# KiCad board q2v2.kicad_pcb (continued)
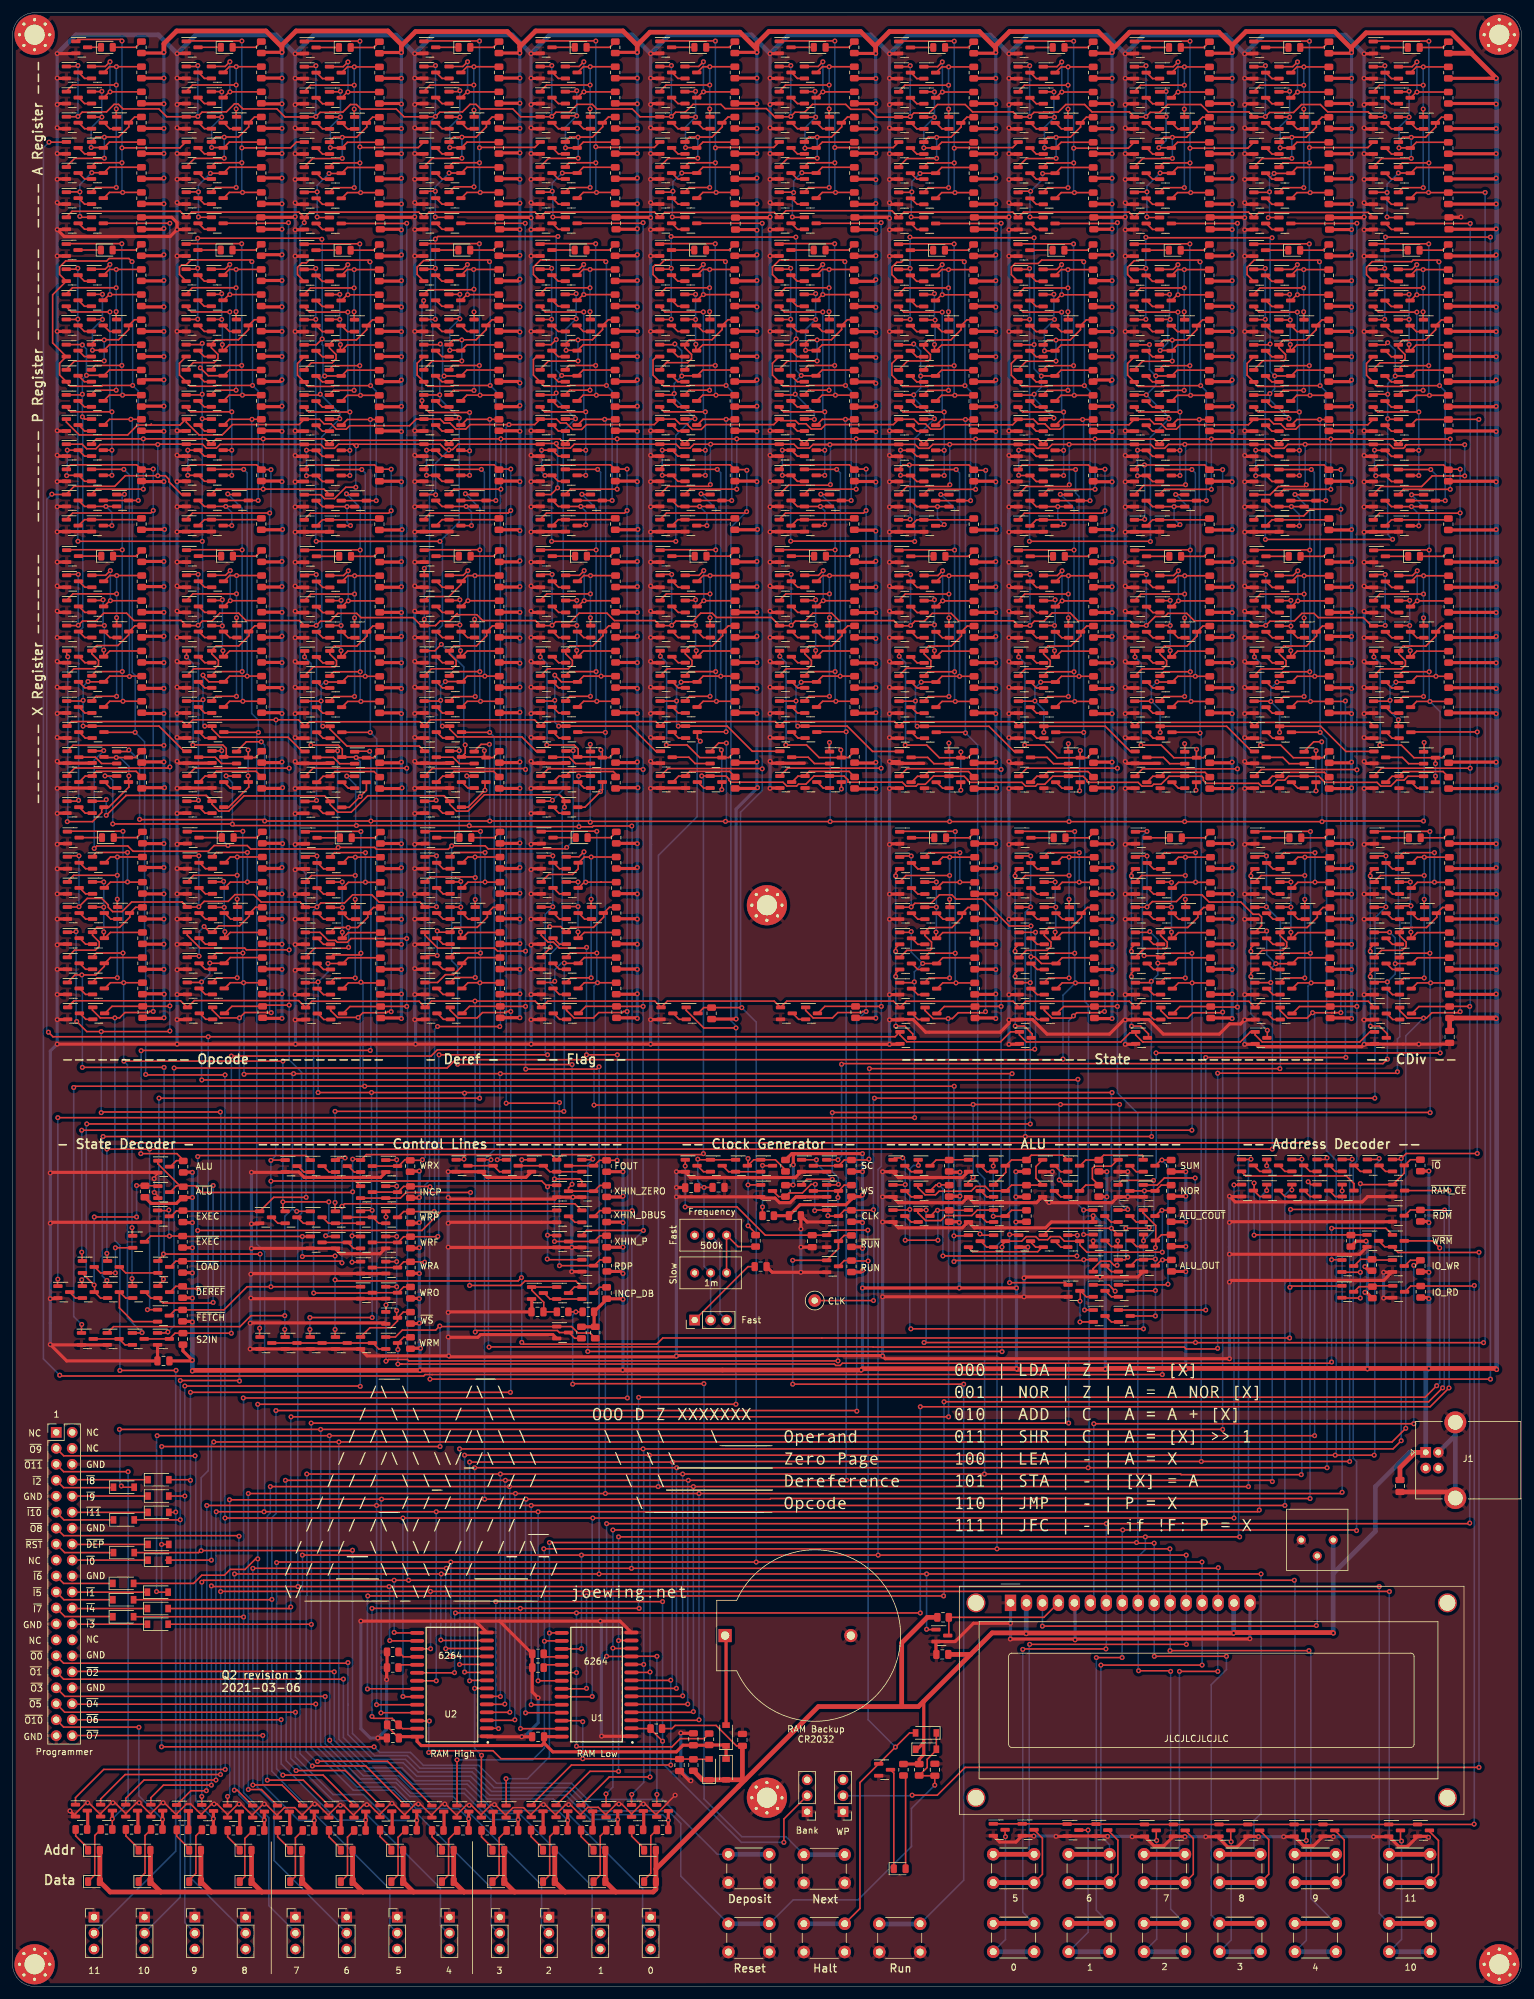
[diagram p0: board, top side]
## Routing (per net, layer and track width the routed paths; a pad name or vN(x,y) marks a point on that pad's centre or on a via; arc(x,y) is an arc through that point) (continued)
Net-(D55-Pad1): length 3.8
  Top w0.25: 84.45,21.87 82.48,23.85 R387.1
Net-(D56-Pad1): length 9.1
  Top w0.25: D56.1 85.44,17.73 85.44,23.84 R388.1
Net-(D57-Pad1): length 3.8
  Top w0.25: 36.19,21.82 34.22,23.8 R389.1
Net-(D58-Pad1): length 9
  Top w0.25: D58.1 36.95,17.48 36.95,23.55 R390.1
Net-(D59-Pad1): length 3.8
  Top w0.25: 92.41,21.87 90.44,23.85 R391.1
Net-(D60-Pad1): length 9
  Top w0.25: R392.1 93.48,23.92 93.48,17.73 D60.1
Net-(D61-Pad1): length 3.8
  Top w0.25: R393.1 42.17,23.8 44.14,21.82
Net-(D62-Pad1): length 9
  Top w0.25: R394.1 44.99,23.64 44.99,17.48 D62.1
Net-(D63-Pad1): length 3.8
  Top w0.25: 100.46,21.92 98.49,23.9 R395.1
Net-(D64-Pad1): length 8.8
  Top w0.25: R396.1 101.52,23.96 101.52,17.98 100.46,16.92
Net-(D65-Pad1): length 3.8
  Top w0.25: R397.1 50.34,23.8 52.31,21.82
Net-(D66-Pad1): length 9
  Top w0.25: R398.1 53.28,23.76 53.28,17.73 D66.1
Net-(D67-Pad1): length 3.6
  Top w0.25: 218.38,276.24 D67.1
Net-(D67-Pad2): length 4.9
  Top w0.25: D67.2 227.47,276.24 R405.2
Net-(D68-Pad1): length 3.6
  Top w0.25: 218.4,308.5 D68.1
Net-(D68-Pad2): length 4.9
  Top w0.25: R412.2 227.49,308.5 D68.2
Net-(D69-Pad1): length 12
  Top w0.25: 9.51,75.43 D69.1
Net-(D70-Pad1): length 9.6
  Top w0.25: D70.1 8.17,74.23 J2.11
Net-(D71-Pad1): length 12
  Top w0.25: 9.51,78.03 D71.1
Net-(D72-Pad1): length 12
  Top w0.25: D72.1 9.57,80.63
Net-(D73-Pad1): length 9.4
  Top w0.25: J2.7 8.12,79.36 15.88,79.36
Net-(D74-Pad1): length 11.9
  Top w0.25: 9.53,57.63 D74.1
Net-(D75-Pad1): length 12.2
  Top w0.25: 9.57,60.13 21.75,60.13
Net-(D76-Pad1): length 9.5
  Top w0.25: D76.1 8.17,61.53 J2.21
Net-(D77-Pad1): length 9.8
  Top w0.25: 16.15,69.03 8.29,69.03 J2.15
Net-(D78-Pad1): length 12
  Top w0.25: 9.53,70.33 D78.1
Net-(D79-Pad1): length 12.1
  Top w0.25: 9.49,67.83 D79.1
Net-(D80-Pad1): length 11.9
  Top w0.25: 9.51,62.73 D80.1
Net-(D81-Pad1): length 9.5
  Top w0.25: J2.23 8.31,58.85 15.92,58.85
Net-(D82-Pad1): length 9.5
  Top w0.25: J2.19 8.12,64.12 15.94,64.12
Net-(D83-Pad1): length 3.6
  Top w0.25: 218.45,227.54 D83.1
Net-(D83-Pad2): length 4.9
  Top w0.25: R421.2 227.54,227.54 D83.2
Net-(D84-Pad1): length 3.6
  Top w0.25: 218.56,182.76 D84.1
Net-(D84-Pad2): length 4.9
  Top w0.25: R430.2 227.65,182.76 D84.2
Net-(D85-Pad1): length 3.6
  Top w0.25: 104.9,308.52 D85.1
Net-(D85-Pad2): length 4.9
  Top w0.25: D85.2 113.99,308.52 R439.2
Net-(D86-Pad1): length 3.6
  Top w0.25: 104.95,227.56 D86.1
Net-(D86-Pad2): length 4.9
  Top w0.25: R448.2 114.04,227.56 D86.2
Net-(D87-Pad1): length 3.6
  Top w0.25: 123.88,276.27 D87.1
Net-(D87-Pad2): length 4.9
  Top w0.25: D87.2 132.97,276.27 R457.2
Net-(D88-Pad1): length 3.6
  Top w0.25: 123.9,308.52 D88.1
Net-(D88-Pad2): length 4.9
  Top w0.25: R464.2 132.99,308.52 D88.2
Net-(D89-Pad1): length 3.6
  Top w0.25: 123.95,227.56 D89.1
Net-(D89-Pad2): length 4.9
  Top w0.25: D89.2 133.04,227.56 R473.2
Net-(D90-Pad1): length 3.6
  Top w0.25: 104.88,276.27 D90.1
Net-(D90-Pad2): length 4.9
  Top w0.25: D90.2 113.97,276.27 R480.2
Net-(DS1-Pad3): length 58.4
  Top w0.25: v1(207.4,57.43) 207.3,57.33 v1(163.82,57.33)
  Bottom w0.25: DS1.3 163.83,57.33 v1(163.82,57.33) ; v1(207.4,57.43) 207.54,57.57 RV3.2
Net-(Q1-Pad2): length 2.4
  Top w0.25: 12.7,153.88 11.65,153.88 10.7,154.83
Net-(Q3-Pad2): length 2.4
  Top w0.25: 12.5,247.48 11.45,247.48 10.5,248.43
Net-(Q10-Pad3): length 12.5
  Top w0.25: 10.5,240.43 11.45,239.48 12.5,239.48 ; 12.5,243.48 11.45,243.48 10.5,244.43 ; v1(8.6,240.38) 8.65,240.43 Q10.3 ; Q9.3 v1(8.7,244.43)
  Bottom w0.25: v1(8.6,240.38) 8.7,240.48 v1(8.7,244.43)
Net-(Q11-Pad3): length 11.1
  Top w0.25: 16.5,235.48 v1(14.85,235.48) 11.45,235.48 10.5,236.43 ; 14.5,232.43 v1(15.8,232.43)
  Bottom w0.25: v1(15.8,232.43) 15.8,234.53 v1(14.85,235.48)
Net-(Q12-Pad1): length 10.2
  Top w0.25: 10.5,232.43 11.45,233.38 20.29,233.38
Net-(Q14-Pad1): length 39.6
  Top w0.25: 14.48,272.27 15.39,273.18 v1(16.49,273.18) R9.2 ; v1(16.48,253.97) 13.23,253.97 12.48,253.22 ; v1(16.48,266.47) 16.48,265.22 ; 8.48,269.22 9.53,270.27 v1(16.48,270.27)
  Bottom w0.25: v1(16.48,253.97) v1(16.48,266.47) v1(16.48,270.27) 16.48,273.17 v1(16.49,273.18)
Net-(Q14-Pad2): length 2.4
  Top w0.25: 10.48,252.27 11.43,251.32 12.48,251.32
Net-(Q15-Pad1): length 21.1
  Top w0.25: 14.48,260.27 15.39,261.18 R11.2 ; v1(14.3,269.23) 14.3,269.22 Q15.1 ; v1(14.3,265.23) 12.55,265.23 ; v1(12.7,260.32) 14.37,260.32
  Bottom w0.25: v1(12.7,260.32) 12.7,263.63 v1(14.3,265.23) v1(14.3,269.23)
Net-(Q15-Pad2): length 2.4
  Top w0.25: 10.48,268.27 11.43,267.32 12.48,267.32
Net-(Q15-Pad3): length 14.5
  Top w0.25: 14.48,268.27 15.39,269.18 v1(15.49,269.18) R6.2 ; v1(15.48,273.97) 14.73,273.22 12.48,273.22
  Bottom w0.25: v1(15.48,273.97) 15.48,269.2 v1(15.49,269.18)
Net-(Q19-Pad2): length 2.4
  Top w0.25: 10.48,256.27 11.43,255.32 12.48,255.32
Net-(Q20-Pad2): length 2.4
  Top w0.25: 10.48,272.27 11.43,271.32 12.48,271.32
Net-(Q21-Pad1): length 20.1
  Top w0.25: R10.2 19.39,265.18 18.48,264.27 18.48,263.62 16.86,262 14.61,262 ; 12.48,261.22 13.26,262 14.61,262 ; 14.61,262 v1(14.58,261.97) ; 8.48,257.22 9.85,258.6 14.54,258.6 v1(14.58,258.63)
  Bottom w0.25: v1(14.58,261.97) v1(14.58,258.63)
Net-(Q23-Pad2): length 2.4
  Top w0.25: 14.48,264.27 15.43,263.32 16.48,263.32
Net-(Q24-Pad2): length 2.4
  Top w0.25: 10.48,264.27 11.43,263.32 12.48,263.32
Net-(Q26-Pad2): length 2.4
  Top w0.25: 10.48,260.27 11.43,259.32 12.48,259.32
Net-(Q28-Pad2): length 2.4
  Top w0.25: 12.5,279.58 11.45,279.58 10.5,280.53
Net-(Q30-Pad1): length 39.6
  Top w0.25: 14.5,304.53 15.41,305.44 v1(16.51,305.44) R16.2 ; 12.5,285.48 13.25,286.23 v1(16.5,286.23) ; v1(16.5,298.73) 16.5,297.48 ; v1(16.5,302.53) 9.55,302.53 8.5,301.48
  Bottom w0.25: v1(16.51,305.44) 16.5,305.43 v1(16.5,302.53) v1(16.5,298.73) v1(16.5,286.23)
Net-(Q30-Pad2): length 2.4
  Top w0.25: 12.5,283.58 11.45,283.58 10.5,284.53
Net-(Q31-Pad1): length 21.2
  Top w0.25: v1(12.5,292.58) 14.39,292.58 ; R18.2 15.41,293.44 14.5,292.53 ; Q31.1 14.15,301.48 v1(14.2,301.53) ; v1(14.2,297.43) 12.61,297.43
  Bottom w0.25: v1(14.2,301.53) v1(14.2,297.43) 12.5,295.73 v1(12.5,292.58)
Net-(Q31-Pad2): length 2.4
  Top w0.25: 10.5,300.53 11.45,299.58 12.5,299.58
Net-(Q31-Pad3): length 14.5
  Top w0.25: 12.5,305.48 14.75,305.48 v1(15.5,306.23) ; 14.5,300.53 15.41,301.44 v1(15.51,301.44) R13.2
  Bottom w0.25: v1(15.51,301.44) 15.5,301.45 v1(15.5,306.23)
Net-(Q35-Pad2): length 2.4
  Top w0.25: 10.5,288.53 11.45,287.58 12.5,287.58
Net-(Q36-Pad2): length 2.4
  Top w0.25: 10.5,304.53 11.45,303.58 12.5,303.58
Net-(Q37-Pad1): length 20.1
  Top w0.25: 8.5,289.48 9.87,290.85 14.56,290.85 v1(14.6,290.89) ; R17.2 19.41,297.44 18.5,296.53 18.5,295.88 16.88,294.25 14.63,294.25 ; 14.63,294.25 v1(14.6,294.23) ; 14.63,294.25 13.28,294.25 12.5,293.48
  Bottom w0.25: v1(14.6,294.23) v1(14.6,290.89)
Net-(Q39-Pad2): length 2.4
  Top w0.25: 16.5,295.58 15.45,295.58 14.5,296.53
Net-(Q40-Pad2): length 2.4
  Top w0.25: 10.5,296.53 11.45,295.58 12.5,295.58
Net-(Q42-Pad2): length 2.4
  Top w0.25: 10.5,292.53 11.45,291.58 12.5,291.58
Net-(Q44-Pad2): length 2.3
  Top w0.25: 16.5,190.68 15.55,190.68 14.6,191.63
Net-(Q45-Pad2): length 2.4
  Top w0.25: 10.6,199.58 11.55,198.63 12.6,198.63
Net-(Q46-Pad2): length 2.4
  Top w0.25: 10.6,187.63 11.55,186.68 12.6,186.68
Net-(Q47-Pad2): length 6.4
  Top w0.25: 14.17,194.58 13.17,195.58 10.6,195.58 ; 14.14,194.58 16.5,194.58
Net-(Q49-Pad1): length 11
  Top w0.25: 10.6,191.63 11.55,192.58 12.6,192.58 13.35,193.32 19.66,193.32 R20.2
Net-(Q54-Pad1): length 39.6
  Top w0.25: 14.55,223.57 15.46,224.48 v1(16.56,224.48) R25.2 ; v1(16.55,205.27) 13.3,205.27 12.55,204.52 ; v1(16.55,217.77) 16.55,216.52 ; 8.55,220.52 9.6,221.57 v1(16.55,221.57)
  Bottom w0.25: v1(16.55,205.27) v1(16.55,217.77) v1(16.55,221.57) 16.55,224.47 v1(16.56,224.48)
Net-(Q54-Pad2): length 2.4
  Top w0.25: 10.55,203.57 11.5,202.62 12.55,202.62
Net-(Q55-Pad1): length 19.4
  Top w0.25: 14.55,211.57 15.46,212.48 R27.2 ; Q55.1 14.29,220.52 v1(14.4,220.63) ; v1(14.5,212.63) 14.5,211.58 ; v1(14.6,216.53) 12.62,216.53
  Bottom w0.25: v1(14.4,220.63) 14.4,216.73 v1(14.6,216.53) 14.6,212.73 v1(14.5,212.63)
Net-(Q55-Pad2): length 2.4
  Top w0.25: 10.55,219.57 11.5,218.62 12.55,218.62
Net-(Q55-Pad3): length 14.5
  Top w0.25: 14.55,219.57 15.46,220.48 v1(15.56,220.48) R22.2 ; v1(15.55,225.27) 14.8,224.52 12.55,224.52
  Bottom w0.25: v1(15.55,225.27) 15.55,220.49 v1(15.56,220.48)
Net-(Q59-Pad2): length 2.4
  Top w0.25: 10.55,207.57 11.5,206.62 12.55,206.62
Net-(Q60-Pad2): length 2.4
  Top w0.25: 10.55,223.57 11.5,222.62 12.55,222.62
Net-(Q61-Pad1): length 19.4
  Top w0.25: 18.55,215.57 19.46,216.48 R26.2 ; 13.33,213.29 12.55,212.52 ; Q63.3 18.49,215.08 16.76,213.35 13.45,213.35 Q66.1 12.61,212.03 13.68,210.97 13.68,210.27 13.06,209.65 9.75,209.65 Q61.1
Net-(Q63-Pad2): length 2.4
  Top w0.25: 14.55,215.57 15.5,214.62 16.55,214.62
Net-(Q64-Pad2): length 2.4
  Top w0.25: 10.55,215.57 11.5,214.62 12.55,214.62
Net-(Q66-Pad2): length 2.4
  Top w0.25: 10.55,211.57 11.5,210.62 12.55,210.62
Net-(Q68-Pad1): length 39.6
  Top w0.25: 14.66,178.79 15.57,179.7 v1(16.67,179.7) R32.2 ; v1(16.66,160.49) 13.41,160.49 12.66,159.74 ; v1(16.66,172.99) 16.66,171.74 ; 8.66,175.74 9.71,176.79 v1(16.66,176.79)
  Bottom w0.25: v1(16.66,160.49) v1(16.66,172.99) v1(16.66,176.79) 16.66,179.69 v1(16.67,179.7)
Net-(Q68-Pad2): length 2.4
  Top w0.25: 10.66,158.79 11.61,157.84 12.66,157.84
Net-(Q69-Pad1): length 18.8
  Top w0.25: 14.66,166.79 15.57,167.7 R34.2 ; v1(14.5,171.73) 12.73,171.73 ; v1(14.5,175.73) 14.49,175.74 Q69.1 ; v1(14.5,167.79) 14.5,166.88
  Bottom w0.25: v1(14.5,175.73) v1(14.5,171.73) v1(14.5,167.79)
Net-(Q69-Pad2): length 2.4
  Top w0.25: 10.66,174.79 11.61,173.84 12.66,173.84
Net-(Q69-Pad3): length 17.1
  Top w0.25: 18.23,175.7 15.57,175.7 14.66,174.79 ; 18.23,175.7 18.25,175.73 v1(18.29,175.73) 18.27,175.71 18.27,175.7 ; 18.23,175.7 18.27,175.7 ; v1(18.29,180.42) 13.35,180.42 12.66,179.74 ; 18.27,175.7 R29.2
  Bottom w0.25: v1(18.29,175.73) v1(18.29,180.42)
Net-(Q73-Pad2): length 2.4
  Top w0.25: 10.66,162.79 11.61,161.84 12.66,161.84
Net-(Q74-Pad2): length 2.4
  Top w0.25: 10.66,178.79 11.61,177.84 12.66,177.84
Net-(Q75-Pad1): length 18.5
  Top w0.25: R33.2 19.57,171.7 18.66,170.79 18.66,170.14 17.04,168.51 13.44,168.51 12.66,167.74 ; Q80.1 12.72,167.25 13.79,166.19 13.79,165.49 13.17,164.87 9.86,164.87 Q75.1
Net-(Q77-Pad2): length 2.4
  Top w0.25: 14.66,170.79 15.61,169.84 16.66,169.84
Net-(Q78-Pad2): length 2.4
  Top w0.25: 10.66,170.79 11.61,169.84 12.66,169.84
Net-(Q80-Pad2): length 2.4
  Top w0.25: 10.66,166.79 11.61,165.84 12.66,165.84
Net-(Q82-Pad2): length 30.3
  Top w0.25: v1(31.9,108.83) 31.8,108.73 23.91,108.73 Q82.2 ; 32,127.33 v1(31.9,127.43) ; 21.05,110.48 22,109.53 23.05,109.53
  Bottom w0.25: v1(31.9,108.83) v1(31.9,127.43)
Net-(Q83-Pad2): length 6.4
  Top w0.25: 23.05,113.53 18,113.53 17.05,114.48
Net-(Q84-Pad2): length 11.9
  Top w0.25: 19.05,109.53 18,109.53 17.05,110.48 ; Q89.3 16.99,107.96 19.17,105.78 Q84.2
Net-(Q86-Pad2): length 10.4
  Top w0.25: v1(16.35,113.53) 14,113.53 13.05,114.48 ; 19.05,117.53 v1(16.35,117.53)
  Bottom w0.25: v1(16.35,117.53) v1(16.35,113.53)
Net-(Q88-Pad2): length 32.1
  Top w0.25: 11.05,113.53 v1(12.97,111.6) 13.05,111.53 13.05,110.48 14,109.53 15.05,109.53 ; R41.2 23.01,127.39 ; v1(19.72,127.43) 21.01,127.43 ; v1(13,122.43) v1(19.72,122.43)
  Bottom w0.25: v1(13,122.43) 12.97,122.4 v1(12.97,111.6) ; v1(19.72,122.43) v1(19.72,127.43)
Net-(Q91-Pad2): length 2.4
  Top w0.25: 9.05,110.48 10,109.53 11.05,109.53
Net-(Q93-Pad2): length 6.6
  Top w0.25: Q93.2 17.89,102.08 Q96.3 Q95.3
Net-(Q106-Pad3): length 2.4
  Top w0.25: 90.5,121.58 89.45,121.58 88.5,122.53
Net-(Q107-Pad2): length 6.4
  Top w0.25: 49.3,118.38 53.3,118.38 54.25,117.43 55.3,117.43
Net-(Q109-Pad2): length 54
  Top w0.25: Q109.2 Q110.2 61.7,125.43 62.6,126.33 v1(72.85,126.33) ; 72.87,111.7 v1(72.7,111.53) 80.8,111.53 81.5,112.23 89.61,112.23 Q117.1 89.39,111.28 Q116.3
  Bottom w0.25: v1(72.85,126.33) 72.7,126.18 v1(72.7,111.53)
Net-(Q116-Pad2): length 6.4
  Top w0.25: 90.55,109.38 85.5,109.38 84.55,110.33
Net-(Q117-Pad3): length 2.4
  Top w0.25: Q117.3 93.35,111.24 R54.2
Net-(Q119-Pad2): length 2.4
  Top w0.25: 53.4,130.53 54.35,129.58 55.4,129.58
Net-(Q121-Pad2): length 6.4
  Top w0.25: 59.3,121.43 58.25,121.43 57.3,122.38 53.3,122.38
Net-(Q122-Pad2): length 2.4
  Top w0.25: 51.4,129.58 50.35,129.58 49.4,130.53
Net-(Q124-Pad2): length 10.4
  Top w0.25: 90.5,129.63 85.45,129.63 84.5,130.58 80.5,130.58
Net-(Q126-Pad2): length 6.4
  Top w0.25: 55.3,121.43 50.25,121.43 49.3,122.38
Net-(Q128-Pad2): length 2.4
  Top w0.25: 45.4,130.53 46.35,129.58 47.4,129.58
Net-(Q130-Pad2): length 6.4
  Top w0.25: 78.5,129.63 77.45,129.63 76.5,130.58 72.5,130.58
Net-(Q132-Pad2): length 2.4
  Top w0.25: 45.3,122.38 46.25,121.43 47.3,121.43
Net-(Q133-Pad2): length 2.4
  Top w0.25: 43.3,121.43 42.2,121.43 41.25,122.38
Net-(Q134-Pad2): length 18.4
  Top w0.25: 41.3,102.38 57.3,102.38 58.25,101.43 59.3,101.43
Net-(Q143-Pad2): length 2.4
  Top w0.25: 29.77,154.83 30.72,153.88 31.77,153.88
Net-(Q145-Pad2): length 2.4
  Top w0.25: 29.57,248.43 30.52,247.48 31.57,247.48
Net-(Q147-Pad2): length 12.1
  Top w0.25: 29.57,244.43 30.52,243.48 31.57,243.48 ; 29.57,240.43 30.52,239.48 31.57,239.48 ; Q152.3 v1(27.87,240.43) ; Q151.3 v1(27.87,244.43)
  Bottom w0.25: v1(27.87,244.43) v1(27.87,240.43)
Net-(Q149-Pad2): length 11.1
  Top w0.25: 29.57,236.43 30.52,235.48 v1(33.92,235.48) 35.57,235.48 ; 33.57,232.43 v1(34.87,232.43)
  Bottom w0.25: v1(33.92,235.48) 34.87,234.53 v1(34.87,232.43)
Net-(Q154-Pad1): length 10.2
  Top w0.25: 29.57,232.43 30.52,233.38 39.36,233.38
Net-(Q156-Pad1): length 39.6
  Top w0.25: 33.55,272.27 34.46,273.18 v1(35.56,273.18) R68.2 ; v1(35.55,253.97) 32.3,253.97 31.55,253.22 ; v1(35.55,266.47) 35.55,265.22 ; 27.55,269.22 28.6,270.27 v1(35.55,270.27)
  Bottom w0.25: v1(35.55,253.97) v1(35.55,266.47) v1(35.55,270.27) 35.55,273.17 v1(35.56,273.18)
Net-(Q156-Pad2): length 2.4
  Top w0.25: 29.55,252.27 30.5,251.32 31.55,251.32
Net-(Q157-Pad1): length 18.7
  Top w0.25: 33.55,260.27 34.46,261.18 R70.2 ; v1(33.27,265.23) 31.62,265.23 ; v1(33.37,261.23) 33.37,260.39 ; v1(33.27,269.33) 33.16,269.22 Q157.1
  Bottom w0.25: v1(33.37,261.23) 33.37,265.13 v1(33.27,265.23) v1(33.27,269.33)
Net-(Q157-Pad2): length 2.4
  Top w0.25: 29.55,268.27 30.5,267.32 31.55,267.32
Net-(Q157-Pad3): length 14.5
  Top w0.25: 33.55,268.27 34.46,269.18 v1(34.56,269.18) R65.2 ; v1(34.55,273.97) 33.8,273.22 31.55,273.22
  Bottom w0.25: v1(34.55,273.97) 34.55,269.2 v1(34.56,269.18)
Net-(Q161-Pad2): length 2.4
  Top w0.25: 29.55,256.27 30.5,255.32 31.55,255.32
Net-(Q162-Pad2): length 2.4
  Top w0.25: 29.55,272.27 30.5,271.32 31.55,271.32
Net-(Q163-Pad1): length 18.5
  Top w0.25: R69.2 38.46,265.18 37.55,264.27 37.55,263.62 35.92,262 33.67,262 ; 31.55,261.22 32.32,262 33.67,262 ; 33.67,262 33.65,261.97 ; Q163.1 28.75,258.36 32.06,258.36 32.67,258.97 32.67,259.67 31.61,260.74 Q168.1
Net-(Q165-Pad2): length 2.4
  Top w0.25: 33.55,264.27 34.5,263.32 35.55,263.32
Net-(Q166-Pad2): length 2.4
  Top w0.25: 29.55,264.27 30.5,263.32 31.55,263.32
Net-(Q168-Pad2): length 2.4
  Top w0.25: 29.55,260.27 30.5,259.32 31.55,259.32
Net-(Q170-Pad2): length 2.4
  Top w0.25: 29.57,280.53 30.52,279.58 31.57,279.58
Net-(Q172-Pad1): length 39.6
  Top w0.25: 33.57,304.53 34.48,305.44 v1(35.58,305.44) R75.2 ; v1(35.57,286.23) 32.32,286.23 31.57,285.48 ; v1(35.57,298.73) 35.57,297.48 ; 27.57,301.48 28.62,302.53 v1(35.57,302.53)
  Bottom w0.25: v1(35.57,286.23) v1(35.57,298.73) v1(35.57,302.53) 35.57,305.43 v1(35.58,305.44)
Net-(Q172-Pad2): length 2.4
  Top w0.25: 29.57,284.53 30.52,283.58 31.57,283.58
Net-(Q173-Pad1): length 20.9
  Top w0.25: 33.57,292.53 34.48,293.44 R77.2 ; v1(31.67,292.58) 33.46,292.58 ; v1(33.27,301.43) 33.22,301.48 Q173.1 ; v1(33.27,297.43) 31.68,297.43
  Bottom w0.25: v1(31.67,292.58) 31.67,295.83 v1(33.27,297.43) v1(33.27,301.43)
Net-(Q173-Pad2): length 2.4
  Top w0.25: 29.57,300.53 30.52,299.58 31.57,299.58
Net-(Q173-Pad3): length 14.5
  Top w0.25: 33.57,300.53 34.48,301.44 v1(34.58,301.44) R72.2 ; v1(34.57,306.23) 33.82,305.48 31.57,305.48
  Bottom w0.25: v1(34.57,306.23) 34.57,301.45 v1(34.58,301.44)
Net-(Q177-Pad2): length 2.4
  Top w0.25: 29.57,288.53 30.52,287.58 31.57,287.58
Net-(Q178-Pad2): length 2.4
  Top w0.25: 29.57,304.53 30.52,303.58 31.57,303.58
Net-(Q179-Pad1): length 20.1
  Top w0.25: R76.2 38.48,297.44 37.57,296.53 37.57,295.88 35.94,294.25 33.69,294.25 ; 31.57,293.48 32.34,294.25 33.69,294.25 ; 33.69,294.25 v1(33.67,294.23) ; 27.57,289.48 28.94,290.85 33.63,290.85 v1(33.67,290.89)
  Bottom w0.25: v1(33.67,294.23) v1(33.67,290.89)
Net-(Q181-Pad2): length 2.4
  Top w0.25: 33.57,296.53 34.52,295.58 35.57,295.58
Net-(Q182-Pad2): length 2.4
  Top w0.25: 29.57,296.53 30.52,295.58 31.57,295.58
Net-(Q184-Pad2): length 2.4
  Top w0.25: 29.57,292.53 30.52,291.58 31.57,291.58
Net-(Q186-Pad2): length 2.3
  Top w0.25: 33.67,191.63 34.62,190.68 35.57,190.68
Net-(Q187-Pad2): length 2.4
  Top w0.25: 29.67,199.58 30.62,198.63 31.67,198.63
Net-(Q188-Pad2): length 2.4
  Top w0.25: 29.67,187.63 30.62,186.68 31.67,186.68
Net-(Q189-Pad2): length 6.4
  Top w0.25: 33.24,194.58 32.24,195.58 29.67,195.58 ; 33.2,194.58 35.57,194.58
Net-(Q191-Pad1): length 11
  Top w0.25: R79.2 38.73,193.32 32.42,193.32 31.67,192.58 30.62,192.58 29.67,191.63
Net-(Q196-Pad1): length 39.6
  Top w0.25: 33.62,223.57 34.53,224.48 v1(35.63,224.48) R84.2 ; v1(35.62,205.27) 32.37,205.27 31.62,204.52 ; v1(35.62,217.77) 35.62,216.52 ; 27.62,220.52 28.67,221.57 v1(35.62,221.57)
  Bottom w0.25: v1(35.62,205.27) v1(35.62,217.77) v1(35.62,221.57) 35.62,224.47 v1(35.63,224.48)
Net-(Q196-Pad2): length 2.4
  Top w0.25: 29.62,203.57 30.57,202.62 31.62,202.62
Net-(Q197-Pad1): length 18.8
  Top w0.25: 33.62,211.57 34.53,212.48 R86.2 ; v1(33.47,212.53) 33.47,211.65 ; v1(33.37,220.63) 33.26,220.52 Q197.1 ; v1(33.37,216.47) 31.73,216.47
  Bottom w0.25: v1(33.37,220.63) v1(33.37,216.47) 33.37,212.63 v1(33.47,212.53)
Net-(Q197-Pad2): length 2.4
  Top w0.25: 29.62,219.57 30.57,218.62 31.62,218.62
Net-(Q197-Pad3): length 14.5
  Top w0.25: 33.62,219.57 34.53,220.48 v1(34.63,220.48) R81.2 ; v1(34.62,225.27) 33.87,224.52 31.62,224.52
  Bottom w0.25: v1(34.62,225.27) 34.62,220.49 v1(34.63,220.48)
Net-(Q201-Pad2): length 2.4
  Top w0.25: 29.62,207.57 30.57,206.62 31.62,206.62
Net-(Q202-Pad2): length 2.4
  Top w0.25: 29.62,223.57 30.57,222.62 31.62,222.62
Net-(Q203-Pad1): length 18.5
  Top w0.25: R85.2 38.53,216.48 37.62,215.57 37.62,214.92 35.99,213.29 32.39,213.29 31.62,212.52 ; Q203.1 28.82,209.65 32.13,209.65 32.74,210.27 32.74,210.97 31.68,212.03 Q208.1
Net-(Q205-Pad2): length 2.4
  Top w0.25: 33.62,215.57 34.57,214.62 35.62,214.62
Net-(Q206-Pad2): length 2.4
  Top w0.25: 29.62,215.57 30.57,214.62 31.62,214.62
Net-(Q208-Pad2): length 2.4
  Top w0.25: 29.62,211.57 30.57,210.62 31.62,210.62
Net-(Q210-Pad1): length 39.6
  Top w0.25: 33.73,178.79 34.64,179.7 v1(35.74,179.7) R91.2 ; v1(35.73,160.49) 32.48,160.49 31.73,159.74 ; v1(35.73,172.99) 35.73,171.74 ; 27.73,175.74 28.78,176.79 v1(35.73,176.79)
  Bottom w0.25: v1(35.73,160.49) v1(35.73,172.99) v1(35.73,176.79) 35.73,179.69 v1(35.74,179.7)
Net-(Q210-Pad2): length 2.4
  Top w0.25: 29.73,158.79 30.68,157.84 31.73,157.84
Net-(Q211-Pad1): length 19
  Top w0.25: 33.73,166.79 34.64,167.7 R93.2 ; v1(33.77,167.83) 33.77,166.89 ; v1(33.67,171.69) 31.84,171.69 ; v1(33.57,175.83) 33.48,175.74 Q211.1
  Bottom w0.25: v1(33.77,167.83) 33.67,167.93 v1(33.67,171.69) 33.67,175.73 v1(33.57,175.83)
Net-(Q211-Pad2): length 2.4
  Top w0.25: 29.73,174.79 30.68,173.84 31.73,173.84
Net-(Q211-Pad3): length 17.1
  Top w0.25: 33.73,174.79 34.64,175.7 37.3,175.7 ; 37.34,175.7 37.34,175.71 v1(37.35,175.73) 37.32,175.73 37.3,175.7 ; 37.34,175.7 R88.2 ; 37.34,175.7 37.3,175.7 ; 31.73,179.74 32.42,180.42 v1(37.35,180.42)
  Bottom w0.25: v1(37.35,175.73) v1(37.35,180.42)
Net-(Q215-Pad2): length 2.4
  Top w0.25: 29.73,162.79 30.68,161.84 31.73,161.84
Net-(Q216-Pad2): length 2.4
  Top w0.25: 29.73,178.79 30.68,177.84 31.73,177.84
Net-(Q217-Pad1): length 18
  Top w0.25: 37.73,170.79 38.64,171.7 R92.2 ; 31.36,167.74 v1(30.47,168.63) ; Q222.1 32.81,168.75 36.12,168.75 37.67,170.3 Q219.3 ; Q217.1 27.98,163.93 v1(29.67,163.93)
  Bottom w0.25: v1(30.47,168.63) 29.67,167.83 v1(29.67,163.93)
Net-(Q219-Pad2): length 2.4
  Top w0.25: 33.73,170.79 34.68,169.84 35.73,169.84
Net-(Q220-Pad2): length 2.4
  Top w0.25: 29.73,170.79 30.68,169.84 31.73,169.84
Net-(Q222-Pad2): length 2.4
  Top w0.25: 29.73,166.79 30.68,165.84 31.73,165.84
Net-(Q224-Pad2): length 2.4
  Top w0.25: 143.1,154.8 144.05,153.85 145.1,153.85
Net-(Q227-Pad2): length 2.4
  Top w0.25: 142.9,248.4 143.85,247.45 144.9,247.45
Net-(Q229-Pad2): length 12
  Top w0.25: 142.9,240.4 143.85,239.45 144.9,239.45 ; 144.9,243.45 143.85,243.45 142.9,244.4 ; v1(141.25,240.43) 141.28,240.4 Q234.3 ; v1(141.25,244.43) 141.28,244.4 Q233.3
  Bottom w0.25: v1(141.25,244.43) v1(141.25,240.43)
Net-(Q231-Pad2): length 11.1
  Top w0.25: 148.9,235.45 v1(147.13,235.45) 143.85,235.45 142.9,236.4 ; Q236.3 148.02,232.4 v1(148.2,232.58)
  Bottom w0.25: v1(147.13,235.45) 147.13,233.65 v1(148.2,232.58)
Net-(Q236-Pad1): length 10.2
  Top w0.25: 152.69,233.35 143.85,233.35 142.9,232.4
Net-(Q238-Pad1): length 39.6
  Top w0.25: v1(148.88,266.44) 148.88,265.19 ; 144.88,253.19 145.63,253.94 v1(148.88,253.94) ; 146.88,272.24 147.79,273.15 v1(148.89,273.15) R102.2 ; v1(148.88,270.24) 141.93,270.24 140.88,269.19
  Bottom w0.25: v1(148.88,253.94) v1(148.88,266.44) v1(148.88,270.24) 148.88,273.14 v1(148.89,273.15)
Net-(Q238-Pad2): length 2.4
  Top w0.25: 144.88,251.29 143.83,251.29 142.88,252.24
Net-(Q239-Pad1): length 18.9
  Top w0.25: 146.88,260.24 147.79,261.15 R104.2 ; v1(146.75,265.14) 144.99,265.14 ; v1(146.65,261.24) 146.65,260.41 ; v1(146.65,269.33) 146.51,269.19 Q239.1
  Bottom w0.25: v1(146.65,269.33) 146.65,265.24 v1(146.75,265.14) 146.75,261.34 v1(146.65,261.24)
Net-(Q239-Pad2): length 2.4
  Top w0.25: 142.88,268.24 143.83,267.29 144.88,267.29
Net-(Q239-Pad3): length 14.5
  Top w0.25: v1(147.88,273.94) 147.13,273.19 144.88,273.19 ; R99.2 v1(147.89,269.15) 147.79,269.15 146.88,268.24
  Bottom w0.25: v1(147.88,273.94) 147.88,269.17 v1(147.89,269.15)
Net-(Q243-Pad2): length 2.4
  Top w0.25: 144.88,255.29 143.83,255.29 142.88,256.24
Net-(Q244-Pad2): length 2.4
  Top w0.25: 142.88,272.24 143.83,271.29 144.88,271.29
Net-(Q245-Pad1): length 18.5
  Top w0.25: R103.2 151.79,265.15 150.88,264.24 150.88,263.59 149.25,261.97 145.66,261.97 144.88,261.19 ; Q245.1 142.38,258.63 145.69,258.63 146.01,258.94 146.01,259.64 144.94,260.71 Q250.1
Net-(Q247-Pad2): length 2.4
  Top w0.25: 148.88,263.29 147.83,263.29 146.88,264.24
Net-(Q248-Pad2): length 2.4
  Top w0.25: 142.88,264.24 143.83,263.29 144.88,263.29
Net-(Q250-Pad2): length 2.4
  Top w0.25: 144.88,259.29 143.83,259.29 142.88,260.24
Net-(Q252-Pad2): length 2.4
  Top w0.25: 144.9,279.55 143.85,279.55 142.9,280.5
Net-(Q254-Pad1): length 39.6
  Top w0.25: 146.9,304.5 147.81,305.41 v1(148.91,305.41) R109.2 ; 140.9,301.45 141.95,302.5 v1(148.9,302.5) ; v1(148.9,298.7) 148.9,297.45 ; v1(148.9,286.2) 145.65,286.2 144.9,285.45
  Bottom w0.25: v1(148.9,286.2) v1(148.9,298.7) v1(148.9,302.5) 148.9,305.4 v1(148.91,305.41)
Net-(Q254-Pad2): length 2.4
  Top w0.25: 142.9,284.5 143.85,283.55 144.9,283.55
Net-(Q255-Pad1): length 21.2
  Top w0.25: R111.2 147.81,293.41 146.9,292.5 ; v1(144.95,292.53) 146.81,292.53 ; v1(146.65,301.43) 146.63,301.45 Q255.1 ; v1(146.65,297.4) 145.01,297.4
  Bottom w0.25: v1(144.95,292.53) 144.95,295.7 v1(146.65,297.4) v1(146.65,301.43)
Net-(Q255-Pad2): length 2.4
  Top w0.25: 142.9,300.5 143.85,299.55 144.9,299.55
Net-(Q255-Pad3): length 14.5
  Top w0.25: 146.9,300.5 147.81,301.41 v1(147.91,301.41) R106.2 ; v1(147.9,306.2) 147.15,305.45 144.9,305.45
  Bottom w0.25: v1(147.9,306.2) 147.9,301.42 v1(147.91,301.41)
Net-(Q259-Pad2): length 2.4
  Top w0.25: 144.9,287.55 143.85,287.55 142.9,288.5
Net-(Q260-Pad2): length 2.4
  Top w0.25: 142.9,304.5 143.85,303.55 144.9,303.55
Net-(Q261-Pad1): length 20.1
  Top w0.25: 140.9,289.45 142.27,290.82 146.96,290.82 v1(147,290.86) ; 147.03,294.22 149.28,294.22 150.9,295.85 150.9,296.5 151.81,297.41 R110.2 ; 147.03,294.22 v1(147,294.2) ; 147.03,294.22 145.68,294.22 144.9,293.45
  Bottom w0.25: v1(147,294.2) v1(147,290.86)
Net-(Q263-Pad2): length 2.4
  Top w0.25: 146.9,296.5 147.85,295.55 148.9,295.55
Net-(Q264-Pad2): length 2.4
  Top w0.25: 144.9,295.55 143.85,295.55 142.9,296.5
Net-(Q266-Pad2): length 2.4
  Top w0.25: 142.9,292.5 143.85,291.55 144.9,291.55
Net-(Q268-Pad2): length 2.3
  Top w0.25: 148.9,190.65 147.95,190.65 147,191.6
Net-(Q269-Pad2): length 2.4
  Top w0.25: 143,199.55 143.95,198.6 145,198.6
Net-(Q270-Pad2): length 6.4